# Altium PCB Motherboard PCB.PcbDoc (part 2 of 3)
Units mm, origin at the board's own origin, x right, y up, seen from the top; angles counter-clockwise.
Board outline 224.71 x 151.45 mm, 4 copper layers (Top Layer 1, Top Layer, Bottom Layer, Bottom Layer 1), stack 0.812 mm thick; 63 components, 127 nets, 504 pads, 652 vias.
Unrouted connection lines stored in the file: 1.
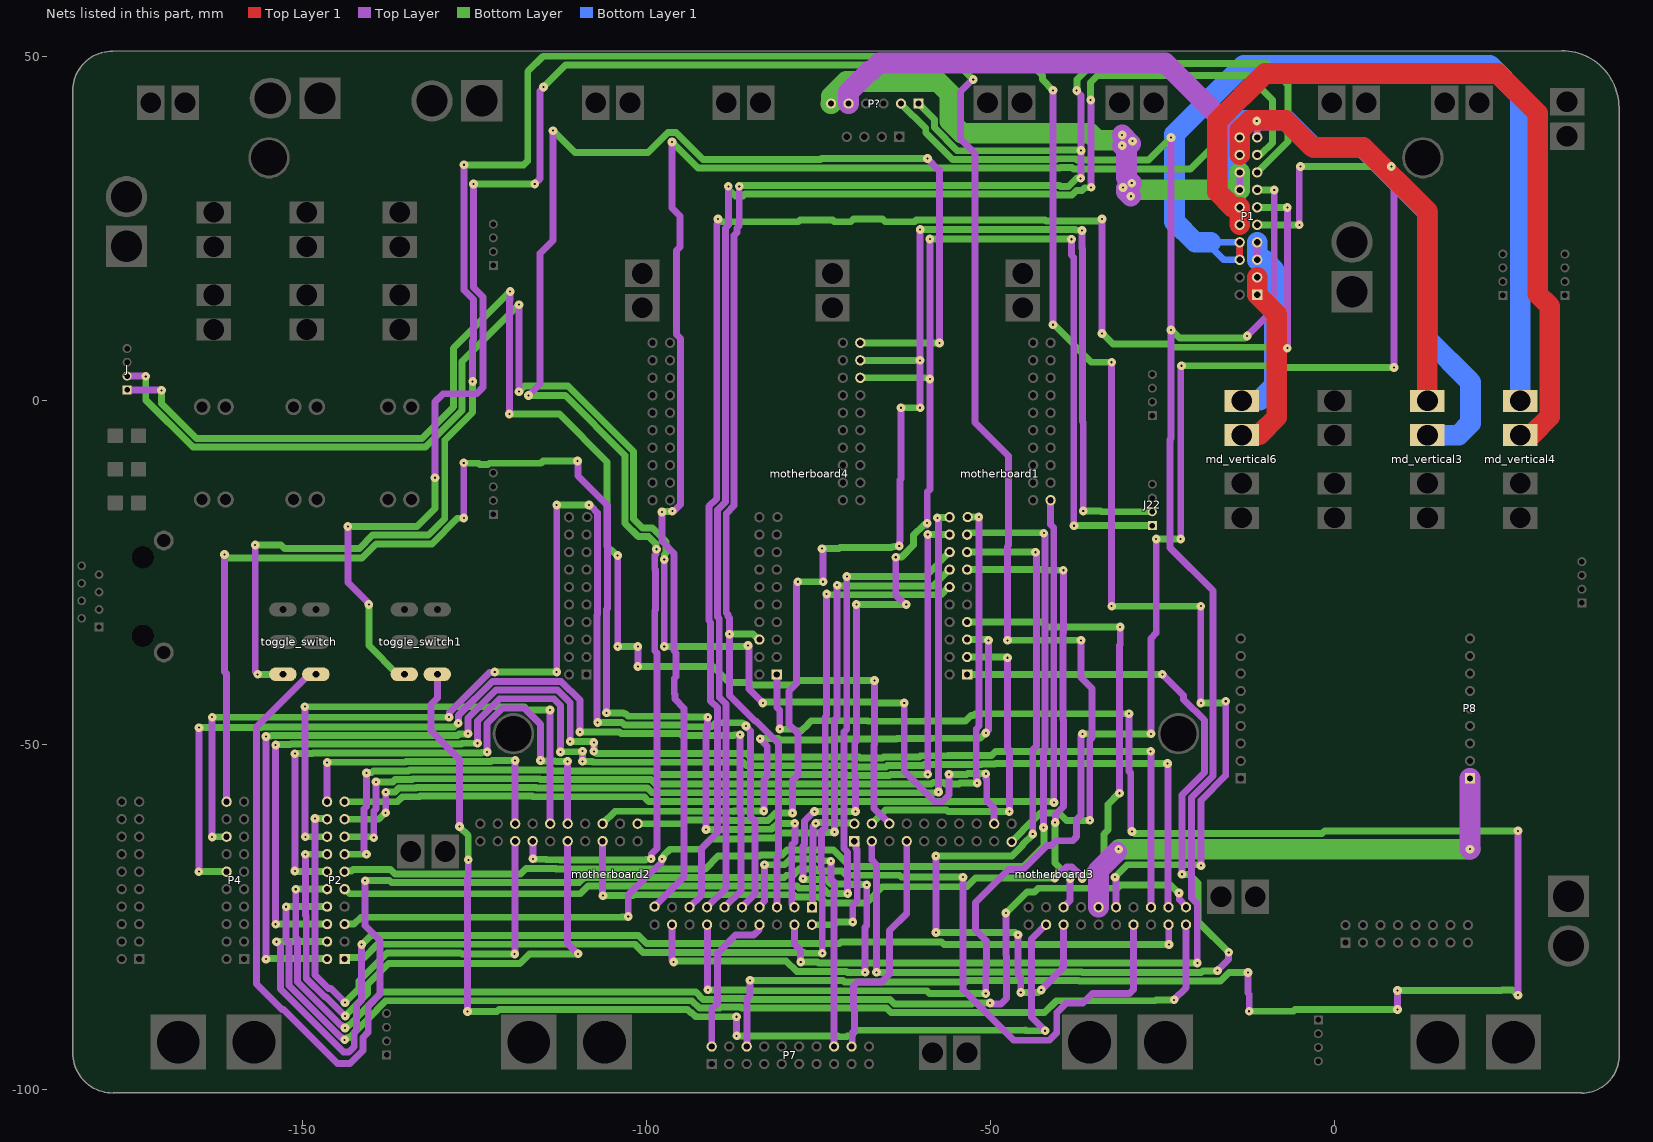
[diagram p4: the nets of this part, all layers, seen from the top]

## Via types
v1: diameter 1.27, hole 0.3, Top Layer to Bottom Layer, 501 vias
v2: diameter 1.27, hole 0.711, Top Layer 1 to Bottom Layer 1, 149 vias
v3: diameter 1.27, hole 0.3, Top Layer 1 to Bottom Layer 1, 2 vias

## Nets (pads, with @x,y where several pads share a name; then routed paths per layer and width w, separated by ;. In a path a pad name is that pad's centre, name@x,y a point inside that pad or via, vN(x,y) a via of type N, cw(c..) or ccw(c..) an arc to the next point about the centre after c; other vN are vias at no path point) (continued)
NetJ22_1: J22.1 motherboard2.18 motherboard4.35 | length 250.8
  Top Layer w1: motherboard2.18@-96.248,-76.122 -96.248,-81.225 -96.012,-81.461 v1(-96.012,-81.534) ; v1(-77.216,-69.435) -77.216,-64.662 -77.021,-64.467 -77.021,-61.078 -75.633,-59.69 v1(-75.565,-59.69) ; v1(-69.596,-59.69) -69.596,-54.599 -69.715,-54.48 -69.715,-49.663 -69.477,-49.425 v1(-69.477,-29.591) ; v1(-68.199,-83.047) -68.199,-76.491 -67.961,-76.253 v1(-67.961,-70.334) ; v1(-63.754,-22.733) -63.754,-28.194 v1@-62.484,-29.464 ; v1@-59.182,-18.024 v1(-59.182,-17.78) -59.182,-13.252 -58.801,-12.871 v1(-58.801,3.175) v1(-58.801,23.495) ; v1(-38.227,23.472) -38.227,21.166 -37.898,20.837 -37.898,-18.109 v1(-37.846,-18.161)
  Bottom Layer w1: v1(-96.012,-81.534) -95.939,-81.534 -95.793,-81.388 -79.665,-81.388 -78.13,-82.923 -70.916,-82.923 -70.792,-83.047 v1(-68.199,-83.047) ; v1(-77.216,-69.435) -77.143,-69.435 -77.008,-69.57 -73.827,-69.57 -73.198,-70.199 -70.164,-70.199 -70.08,-70.282 -68.013,-70.282 v1(-67.961,-70.334) ; v1(-75.565,-59.69) v1(-69.596,-59.69) ; v1(-69.477,-29.591) v1(-62.23,-29.591) ; motherboard4.35@-68.915,3.34 -59.039,3.34 -58.874,3.175 v1(-58.801,3.175) ; v1(-63.754,-22.733) -63.702,-22.681 -62.88,-22.681 -61.176,-20.977 -61.176,-19.518 -59.681,-18.024 -59.499,-18.024 -59.255,-17.78 v1(-59.182,-17.78) ; v1(-58.801,23.495) -58.789,23.483 -38.238,23.483 v1(-38.227,23.472) ; v1(-37.846,-18.161) -37.829,-18.144 -26.484,-18.144 J22.1@-26.467,-18.127
NetJ22_2: J22.2 motherboard2.21 motherboard4.37 | length 210.2
  Top Layer w1: v1(-78.74,-59.909) -78.74,-55.168 -77.978,-54.406 -77.978,-48.306 -79.283,-47 -79.283,-42.199 -78.191,-41.107 -78.191,-28.987 -78.191,-26.693 -78.03,-26.532 -78.03,-26.341 v1(-77.978,-26.289) ; v1(-74.462,-21.482) -74.462,-21.555 -74.295,-21.722 v1(-74.295,-26.289) ; v1(-63.245,-21.082) -63.194,-21.03 -63.194,-20.471 -63.11,-20.387 -63.11,-11.478 -62.992,-11.36 v1(-62.992,-1.016) ; v1(-60.198,-1.016) -60.217,-0.997 -60.217,5.861 v1(-60.236,5.88) -60.217,5.899 -60.217,24.866 v1(-60.198,24.885) ; v1(-36.703,24.726) -36.703,22.15 -36.644,22.091 -36.644,-2.988 -36.509,-3.123 v1(-36.509,-16.002)
  Bottom Layer w1: motherboard2.21@-101.258,-61.45 -94.788,-61.45 -94.235,-60.897 -87.9,-60.897 -87.798,-60.999 -82.336,-60.999 -81.246,-59.909 v1(-78.74,-59.909) ; v1(-77.978,-26.289) v1(-74.295,-26.289) ; v1(-74.462,-21.482) -71.995,-21.482 -71.827,-21.315 -64.363,-21.315 -64.249,-21.201 -63.924,-21.201 -63.856,-21.134 -63.297,-21.134 v1(-63.245,-21.082) ; motherboard4.37@-68.901,5.876 v1@-60.24,5.876 ; v1(-62.992,-1.016) v1(-60.198,-1.016) ; v1(-60.198,24.885) -60.191,24.892 -42.446,24.892 -42.415,24.861 -37.652,24.861 -37.568,24.778 -36.755,24.778 v1(-36.703,24.726) ; v1(-36.509,-16.002) -33.998,-16.002 -33.874,-16.127 J22.2@-26.467,-16.127
NetJ_1: J.1 motherboard3.6 | length 199.1
  Top Layer w1: J.1@-175.438,1.59 -175.405,1.557 -170.467,1.557 v1(-170.434,1.524) ; v1(-119.888,-1.929) -119.896,-1.921 -119.896,14.529 -119.821,14.605 -119.821,15.815 v1(-119.769,15.867) ; v1(-104.148,-35.687) v1(-104.148,-22.487) ; v1(-101.219,-38.609) v1(-101.219,-35.687) ; v1(-66.834,-40.64) -66.834,-49.925 -66.921,-50.012 -66.921,-59.223 motherboard3.6@-64.694,-61.45
  Bottom Layer w1: v1(-170.434,1.524) -170.434,-0.381 -165.354,-5.461 -132.588,-5.461 -128,-0.873 -128,7.636 v1(-119.769,15.867) ; v1(-119.888,-1.929) -112.63,-1.929 -105.691,-8.868 -105.691,-21.13 -105.093,-21.728 -104.98,-21.728 -104.221,-22.487 v1(-104.148,-22.487) ; v1(-104.148,-35.687) v1@-101.473,-35.687 ; v1(-101.219,-38.609) v1(-101.219,-38.609) -90.313,-38.608 -88.011,-40.91 -84.994,-40.91 -84.63,-41.274 -80.028,-41.274 -78.633,-41.274 -77.999,-40.64 v1(-66.834,-40.64)
NetJ_2: J.2 motherboard3.18 | length 217.6
  Top Layer w1: J.2@-175.438,3.59 -175.421,3.573 -172.737,3.573 v1(-172.72,3.556) ; v1(-118.507,1.324) -118.499,1.332 -118.499,13.962 v1(-118.491,13.97) ; v1@-97.385,-35.614 v1(-97.385,-23.065) ; v1(-85.217,-35.56) -85.217,-35.633 -85.073,-35.777 -85.073,-41.902 v1(-83.058,-43.917) ; v1(-62.514,-43.917) -62.514,-53.874 -58.132,-58.255 -56.982,-58.255 -56.007,-57.28 v1(-56.007,-54.276) ; v1(-50.665,-54.189) -50.613,-54.241 -50.613,-54.871 -50.53,-54.955 -50.53,-58.093 -49.454,-59.169 motherboard3.18@-49.454,-61.45
  Bottom Layer w1: v1(-172.72,3.556) -172.72,0.132 -165.873,-6.715 -132.069,-6.715 -126.746,-1.392 -126.746,5.715 v1(-118.491,13.97) ; v1(-118.507,1.324) -118.488,1.324 -117.669,2.143 -111.381,2.143 -101.842,-7.396 -101.842,-17.157 -100.522,-18.477 -99.126,-18.477 -97.129,-20.474 -97.129,-22.143 -97.333,-22.347 -97.333,-23.013 v1(-97.385,-23.065) ; v1(-97.385,-35.687) -85.417,-35.687 -85.29,-35.56 v1(-85.217,-35.56) ; v1(-83.058,-43.917) -83.006,-43.865 -82.815,-43.865 -82.732,-43.782 -66.997,-43.782 -66.862,-43.917 v1(-62.514,-43.917) ; v1(-56.007,-54.276) -53.429,-54.276 -53.294,-54.141 -50.713,-54.141 v1(-50.665,-54.189)
Netmd_vertical3_3: md_vertical3.3 P1.14 P1.16 P?.6 | length 168.2
  Top Layer w1: P1.14@-13.779,30.645 P1.16@-13.779,33.185
  Top Layer w3: v1(-30.861,37.084) -30.226,36.449 -30.226,32.385 v1(-29.464,31.623) -30.226,30.861 -30.226,30.353 v1(-29.591,29.718) ; v1(-30.861,38.608) v1@-29.591,37.338
  Bottom Layer w3: P?.6@-73.152,43.18 -73.116,43.216 -73.116,44.217 -70.952,46.381 -57.637,46.381 -55.88,44.624 -55.88,40.619 -54.123,38.862 -35.483,38.862 -34.467,37.846 -30.861,37.846 ; -29.972,30.861 -29.756,30.645 P1.14@-13.779,30.645 P1.16@-13.779,33.185
  Bottom Layer 1 w3: P1.14@-13.779,30.645 P1.16@-13.779,33.185 -13.815,33.221 -14.816,33.221 -16.283,34.688 -16.283,39.302 -14.816,40.769 -6.982,40.769 -3.057,36.844 4.055,36.844 13.462,27.437 13.462,9.017 19.765,2.714 19.765,-3.243 18.008,-5 md_vertical3.3@13.5,-5
  other v1: -30.734,30.988 -29.337,37.719
Netmd_vertical3_4: md_vertical3.4 P1.18 P1.20 P?.5 | length 131.6
  Top Layer 1 w3: P1.18@-13.779,35.725 P1.20@-13.779,38.265 -13.779,39.266 -12.276,40.769 -7.109,40.769 -3.184,36.844 4.182,36.844 13.453,27.573 md_vertical3.4@13.453,0.1
  Top Layer w3: P?.5@-70.612,43.18 -70.612,44.829 -67.503,47.938 -67.251,47.938 -66.107,49.082 -24.596,49.082 P1.20@-13.779,38.265 P1.18@-13.779,35.725
Netmd_vertical4_3: md_vertical4.3 P1.10 P1.12 | length 121.5
  Top Layer 1 w3: P1.10@-13.779,25.565 P1.12@-13.779,28.105 -13.815,28.141 -14.816,28.141 -17.033,30.358 -17.033,40.614 -10.086,47.561 23.729,47.561 29.528,41.762 29.528,15.482 31.254,13.756 31.254,-2.327 28.681,-4.9 27.1,-4.9 md_vertical4.3@27,-5
  Top Layer w1: P1.10@-13.779,25.565 P1.12@-13.779,28.105
Netmd_vertical4_4: md_vertical4.4 P1.6 P1.8 | length 134.9
  Top Layer 1 w1: P1.6@-13.779,20.485 P1.8@-13.779,23.025
  Top Layer w1: P1.6@-13.779,20.485 P1.8@-13.779,23.025
  Bottom Layer 1 w1: -18.58,23.025 -18.288,22.733 -16.04,20.485 P1.6@-13.779,20.485 ; -17.996,23.025 P1.8@-13.779,23.025
  Bottom Layer 1 w3: -17.996,23.025 -20.231,23.025 -23.241,26.035 -23.241,38.719 -13.192,48.768 22.522,48.768 27,44.29 md_vertical4.4@27,0
Netmd_vertical6_3: md_vertical6.3 P1.1 P1.3 | length 31.3
  Top Layer 1 w3: md_vertical6.3@-13.5,-5 -13.4,-4.9 -10.91,-4.9 -8.391,-2.381 -8.391,12.557 P1.1@-11.239,15.405 P1.3@-11.239,17.945
  Top Layer w1: P1.1@-11.239,15.405 P1.3@-11.239,17.945
  Bottom Layer w3: md_vertical6.3@-13.5,-5 -12.58,-5 md_vertical6.3@-12.5,-5.08
Netmd_vertical6_4: md_vertical6.4 P1.5 P1.7 | length 31.6
  Top Layer 1 w3: md_vertical6.4@-13.5,0 md_vertical6.4@-12.6,0
  Top Layer w1: P1.5@-11.239,20.485 P1.7@-11.239,23.025
  Bottom Layer 1 w3: md_vertical6.4@-13.5,0 -13.4,0.1 -10.845,0.1 -8.735,2.21 -8.735,18.982 -10.202,20.449 -11.203,20.449 P1.5@-11.239,20.485 P1.7@-11.239,23.025
Netmotherboard1_1: motherboard1.1 motherboard3.3 | length 148.5
  Top Layer w1: motherboard3.3@-67.234,-63.99 -67.234,-66.742 -66.548,-67.428 v1(-66.548,-83.047) ; v1(-25.019,-39.751) -21.935,-42.835 -21.935,-43.377 -18.903,-46.409 -18.903,-54.006 -22.171,-57.274 v1(-22.171,-68.794) ; v1(-17.018,-82.804) -15.419,-81.205 -15.419,-80.189 v1(-15.367,-80.137)
  Bottom Layer w1: v1(-66.548,-83.047) -54.034,-83.047 -53.959,-82.972 -36.704,-82.972 -36.618,-83.058 -19.364,-83.058 -19.153,-82.847 -17.061,-82.847 v1(-17.018,-82.804) ; motherboard1.1@-53.382,-39.77 -53.372,-39.76 -25.028,-39.76 v1(-25.019,-39.751) ; v1(-22.171,-68.794) -22.119,-68.846 -21.055,-68.846 -19.812,-70.089 -19.812,-75.692 v1(-15.367,-80.137)
Netmotherboard1_3: motherboard1.3 motherboard3.4 | length 49.3
  Top Layer w1: v1(-47.498,-37.338) -47.498,-50.507 -47.244,-50.761 v1(-47.244,-59.69)
  Bottom Layer w1: motherboard3.4@-67.234,-61.45 -65.259,-59.475 -56.396,-59.475 -56.181,-59.69 v1(-47.244,-59.69) ; motherboard1.3@-53.382,-37.23 -47.679,-37.23 -47.571,-37.338 v1(-47.498,-37.338)
Netmotherboard1_5: motherboard1.5 motherboard2.25 | length 85.4
  Top Layer w1: motherboard2.25@-106.338,-61.45 motherboard2.25@-106.318,-61.43 ; v1(-83.447,-49.093) -83.447,-49.166 -82.423,-50.19 -82.423,-54.619 -82.912,-55.108 v1(-82.912,-59.61) ; v1(-50.665,-48.26) -50.665,-48.187 -50.292,-47.814 v1(-50.292,-34.798)
  Bottom Layer w1: motherboard2.25@-106.338,-61.45 -104.531,-59.643 -87.38,-59.643 -87.334,-59.69 -87.254,-59.61 v1(-82.912,-59.61) ; v1(-83.447,-49.093) -80.762,-49.093 -80.594,-49.26 -73.083,-49.26 -72.972,-49.149 -63.628,-49.149 -63.547,-49.068 -58.572,-49.068 -58.542,-49.038 -51.516,-49.038 -50.738,-48.26 v1(-50.665,-48.26) ; motherboard1.5@-53.382,-34.69 -53.161,-34.69 -53.151,-34.68 -50.483,-34.68 -50.365,-34.798 v1(-50.292,-34.798)
Netmotherboard1_7: motherboard1.7 motherboard2.26 | length 142.6
  Top Layer w1: motherboard2.26@-106.338,-63.99 -106.338,-71.86 v1(-106.299,-71.899) ; v1(-40.64,-69.342) -40.567,-69.342 -38.956,-67.731 -38.128,-67.731 -36.999,-68.86 -36.999,-69.011 -36.673,-69.337 v1(-36.673,-69.41) ; v1(-31.242,-57.023) -31.242,-35.52 -31.139,-35.417 v1(-31.139,-32.885)
  Bottom Layer w1: v1(-106.299,-71.899) -101.929,-71.899 -101.794,-71.764 -78.625,-71.764 -78.311,-72.078 -74.866,-72.078 -73.967,-72.977 -68.024,-72.977 -65.651,-70.604 -53.4,-70.604 -52.138,-69.342 v1(-40.64,-69.342) ; motherboard1.7@-53.382,-32.15 -42.518,-32.15 -41.783,-32.885 v1(-31.139,-32.885) ; v1(-36.673,-69.41) -34.922,-67.658 -34.698,-67.658 -33.496,-66.457 -33.496,-62.973 -32.902,-62.379 -32.902,-58.623 -31.301,-57.023 v1(-31.242,-57.023)
Netmotherboard1_12: motherboard1.12 P2.1 | length 141.8
  Top Layer w1: v1(-74.422,-80.269) -74.422,-68.356 -74.571,-68.206 -74.571,-65.565 -74.513,-65.506 -74.513,-62.533 -73.986,-62.006 -73.986,-45.902 -73.787,-45.703 v1(-73.787,-28.067)
  Bottom Layer w1: P2.1@-143.827,-81.115 -143.577,-80.865 -140.936,-80.865 -139.033,-78.962 -101.622,-78.962 -100.45,-80.134 -77.1,-80.134 -76.965,-80.269 v1(-74.422,-80.269) ; v1(-73.787,-28.067) -73.714,-28.067 -73.595,-28.186 -57.173,-28.186 -56.057,-27.07 motherboard1.12@-55.922,-27.07
Netmotherboard1_13: motherboard1.13 motherboard3.26 | length 65
  Top Layer w1: v1(-40.588,-61.286) -40.537,-61.234 -40.537,-60.095 -39.386,-58.944 -39.386,-46.367 -39.473,-46.28 -39.473,-33.703 -39.402,-33.632 v1(-39.402,-24.62) ; motherboard3.26@-39.497,-73.66 -38.44,-72.603 -38.44,-69.487 v1(-38.388,-69.435)
  Bottom Layer w1: motherboard1.13@-53.382,-24.53 -53.17,-24.53 -53.151,-24.511 -42.148,-24.511 -42.039,-24.62 v1(-39.402,-24.62) ; v1(-40.588,-61.286) -40.64,-61.338 -40.64,-67.183 v1(-38.388,-69.435)
Netmotherboard1_14: motherboard1.14 P2.5 | length 132.3
  Top Layer w1: v1(-102.616,-74.93) -102.616,-71.823 -100.191,-69.397 -100.162,-69.397 -97.745,-66.98 -97.745,-66.608 v1(-97.693,-66.556) ; v1(-72.667,-62.651) -72.667,-46.356 -72.263,-45.953 v1(-72.263,-26.797)
  Bottom Layer w1: P2.5@-143.827,-76.035 -143.823,-76.039 -142.471,-76.039 -141.473,-75.041 -103.627,-75.041 -103.567,-74.982 -102.668,-74.982 v1(-102.616,-74.93) ; v1(-97.693,-66.556) -97.693,-66.483 -97.401,-66.191 -97.401,-65.981 -96.587,-65.167 -92.125,-65.167 -90.617,-63.659 -84.57,-63.659 -84.418,-63.507 -81.298,-63.507 -80.576,-62.786 -74.8,-62.786 -74.717,-62.703 -72.719,-62.703 v1(-72.667,-62.651) ; v1(-72.263,-26.797) -72.211,-26.849 -71.89,-26.849 -71.822,-26.916 -58.308,-26.916 motherboard1.14@-55.922,-24.53
Netmotherboard1_15: motherboard1.15 motherboard3.25 | length 112.4
  Top Layer w1: v1(-57.928,-66.143) -57.92,-66.151 -57.92,-77.232 v1(-57.912,-77.24) ; v1(-45.974,-77.597) -45.974,-83.344 -45.593,-83.725 v1(-45.593,-85.979) ; v1(-43.843,-62.96) -43.843,-50.651 -43.323,-50.131 -43.323,-22.214 -43.458,-22.079 v1(-43.458,-22.006) ; v1(-42.612,-85.615) -39.364,-82.367 motherboard3.25@-39.364,-76.122
  Bottom Layer w1: v1(-57.912,-77.24) -46.404,-77.24 -46.047,-77.597 v1(-45.974,-77.597) ; v1@-57.912,-66.167 -46.86,-66.167 -45.309,-64.616 -45.309,-64.498 -43.843,-63.033 v1(-43.843,-62.96) ; motherboard1.15@-53.382,-21.99 -53.374,-21.998 -43.466,-21.998 v1(-43.458,-22.006) ; v1(-45.593,-85.979) -43.049,-85.979 -42.686,-85.615 v1(-42.612,-85.615)
Netmotherboard1_16: motherboard1.16 P2.9 | length 137.1
  Top Layer w1: v1(-70.866,-25.527) -70.866,-47.678 -71.278,-48.09 -71.278,-65.052 -70.739,-65.591 v1(-70.739,-71.588)
  Bottom Layer w1: P2.9@-143.827,-70.955 -143.692,-70.955 -143.019,-71.628 -109.601,-71.628 -108.483,-70.51 -78.105,-70.51 -77.791,-70.824 -74.346,-70.824 -73.582,-71.588 v1(-70.739,-71.588) ; v1(-70.866,-25.527) -59.459,-25.527 motherboard1.16@-55.922,-21.99
Netmotherboard1_17: motherboard1.17 P2.11 | length 162.6
  Top Layer w1: v1(-42.277,-61.994) -42.277,-50.859 -42.069,-50.65 -42.069,-19.469 -42.236,-19.302 v1(-42.236,-19.229)
  Bottom Layer w1: P2.11@-143.827,-68.415 -143.731,-68.319 -142.829,-68.319 -142.598,-68.088 -137.166,-68.088 -136.51,-68.744 -118.286,-68.744 -117.487,-67.945 -113.137,-67.945 -113.08,-68.002 -91.413,-68.002 -89.578,-66.167 -83.531,-66.167 -83.379,-66.015 -80.259,-66.015 -79.537,-65.294 -72.81,-65.294 -70.413,-67.691 -45.222,-67.691 -42.239,-64.708 -42.239,-62.032 v1(-42.277,-61.994) ; motherboard1.17@-53.382,-19.45 -53.247,-19.45 -52.974,-19.177 -42.288,-19.177 v1(-42.236,-19.229)
Netmotherboard1_18: motherboard1.18 P2.13 | length 135.5
  Top Layer w1: v1(-140.64,-65.895) -140.64,-65.822 -140.984,-65.478 -140.984,-59.279 -140.644,-58.939 -140.644,-54.088 v1(-140.64,-54.084) ; v1(-59.106,-54.276) v1(-59.106,-19.413)
  Bottom Layer w1: P2.13@-143.827,-65.875 -143.817,-65.885 -140.65,-65.885 v1(-140.64,-65.895) ; v1(-140.64,-54.084) -140.588,-54.032 -139.886,-54.032 -139.622,-53.769 -134.523,-53.769 -134.412,-53.658 -113.678,-53.658 -113.567,-53.769 -98.786,-53.769 -98.279,-54.276 -71.006,-54.276 -70.847,-54.435 -64.639,-54.435 -64.48,-54.276 v1(-59.106,-54.276) ; v1(-59.106,-19.413) -59.087,-19.431 -55.94,-19.431 motherboard1.18@-55.922,-19.45
Netmotherboard1_19: motherboard1.19 P2.15 | length 141.2
  Top Layer w1: v1(-139.595,-63.482) -139.595,-59.664 -139.255,-59.324 v1(-139.255,-55.366) ; v1(-51.919,-55.53) -51.971,-55.478 -51.971,-54.848 -52.054,-54.764 -52.054,-47.685 -51.631,-47.261 -51.631,-35.424 -51.681,-35.373 v1(-51.681,-16.873)
  Bottom Layer w1: P2.15@-143.827,-63.335 -139.815,-63.335 -139.668,-63.482 v1(-139.595,-63.482) ; v1(-139.255,-55.366) -136.823,-55.366 -136.48,-55.023 -134.003,-55.023 -133.892,-54.912 -115.52,-54.912 -115.409,-55.023 -99.305,-55.023 -98.663,-55.665 -78.621,-55.665 -78.597,-55.689 -58.555,-55.689 -58.309,-55.443 -56.804,-55.443 -56.582,-55.665 -54.554,-55.665 -54.419,-55.53 v1(-51.919,-55.53) ; motherboard1.19@-53.29,-16.898 -53.277,-16.885 -51.693,-16.885 v1(-51.681,-16.873)
Netmotherboard1_20: motherboard1.20 P2.17 | length 132
  Top Layer w1: v1(-137.856,-59.865) -137.851,-59.86 -137.851,-56.871 v1(-137.846,-56.866) ; v1(-57.709,-17.01) -57.709,-17.083 -57.557,-17.235 v1(-57.557,-56.832)
  Bottom Layer w1: P2.17@-143.827,-60.795 -138.859,-60.795 -137.929,-59.865 v1(-137.856,-59.865) ; v1(-137.846,-56.866) -137.794,-56.814 -136.498,-56.814 -135.961,-56.277 -133.484,-56.277 -133.373,-56.166 -116.039,-56.166 -115.928,-56.277 -99.825,-56.277 -99.159,-56.943 -58.035,-56.943 -57.976,-56.884 -57.609,-56.884 v1(-57.557,-56.832) ; v1(-57.709,-17.01) -57.659,-16.96 -55.972,-16.96 motherboard1.20@-55.922,-16.91
Netmotherboard1_21: motherboard1.21 P2.19 | length 147.9
  Top Layer w1: motherboard1.21@-41.25,-14.44 -41.25,-17.991 -40.791,-18.45 -40.791,-58.353 v1(-40.775,-58.369)
  Bottom Layer w1: P2.19@-143.827,-58.255 -136.165,-58.255 -135.441,-57.531 -132.964,-57.531 -132.853,-57.42 -116.558,-57.42 -116.447,-57.531 -100.344,-57.531 -99.654,-58.221 -40.995,-58.221 -40.848,-58.369 v1(-40.775,-58.369)
Netmotherboard2_1: motherboard2.1 motherboard3.2 | length 18.2
  Top Layer w1: motherboard2.1@-75.928,-73.582 -75.827,-73.481 -75.827,-65.047 -75.767,-64.987 -75.767,-61.862 -75.375,-61.47 v1(-75.375,-61.397) ; motherboard3.2@-69.812,-61.412 motherboard3.2@-69.774,-61.45
  Bottom Layer w1: v1(-75.375,-61.397) -75.302,-61.397 -75.167,-61.262 -72.092,-61.262 -71.999,-61.354 -69.87,-61.354 motherboard3.2@-69.774,-61.45
Netmotherboard2_2: motherboard2.2 motherboard3.1 | length 18.3
  Top Layer w1: v1(-70.004,-75.732) -70.004,-73.352 -69.35,-72.699 -69.35,-70.164 -69.368,-70.146 -69.368,-65.189 -69.524,-65.033 -69.524,-64.24 motherboard3.1@-69.774,-63.99
  Bottom Layer w1: motherboard2.2@-75.928,-76.122 -72.639,-76.122 -72.249,-75.732 v1(-70.004,-75.732)
Netmotherboard2_3: motherboard2.3 P4.20 | length 193.9
  Top Layer w1: v1(-161.261,-22.338) -161.261,-39.37 -161.004,-39.627 -161.004,-58.223 P4.20@-160.972,-58.255 ; v1(-126.516,-9.017) -126.514,-9.019 -126.514,-17.012 v1(-126.512,-17.014) ; v1(-109.982,-8.763) -109.941,-8.804 -109.941,-10.898 -105.648,-15.191 -105.648,-30.16 -105.783,-30.295 v1(-105.783,-45.337) ; v1(-91.305,-62.286) -91.305,-47.948 -91.111,-47.753 -91.111,-46.018 v1(-91.059,-45.966) ; motherboard2.3@-78.468,-73.582 -78.468,-73.447 -78.867,-73.048 -78.867,-64.54 -78.41,-64.083 v1(-78.41,-61.397)
  Bottom Layer w1: v1(-161.261,-22.338) -161.188,-22.338 -160.68,-22.846 -141.299,-22.846 -139.235,-20.782 -131.154,-20.782 -127.438,-17.066 -126.564,-17.066 v1(-126.512,-17.014) ; v1(-126.516,-9.017) -126.464,-9.069 -124.391,-9.069 -124.197,-9.263 -122.987,-9.263 -122.808,-9.084 -115.328,-9.084 -115.007,-8.763 v1(-109.982,-8.763) ; v1(-105.783,-45.337) -103.323,-45.337 -103.188,-45.472 -102.998,-45.472 -102.638,-45.831 -94.063,-45.831 -93.928,-45.966 v1(-91.059,-45.966) ; v1(-91.305,-62.286) -84.971,-62.286 -84.938,-62.253 -81.817,-62.253 -80.961,-61.397 v1(-78.41,-61.397)
Netmotherboard2_4: motherboard2.4 P1.13 P?.2 | length 269.1
  Top Layer w1: motherboard2.4@-78.468,-76.122 -78.468,-76.344 -78.477,-76.353 -78.477,-78.899 -77.606,-79.77 -77.606,-81.482 v1(-77.555,-81.534) ; v1(-23.757,38.235) v1(-23.757,10.287) -23.757,-5.502 -23.892,-5.637 -23.892,-21.353 -17.649,-27.596 -17.649,-54.526 -20.782,-57.659 -20.782,-72.257 -19.939,-73.1 v1(-19.939,-81.669) ; v1(-12.7,9.398) -8.763,13.335 v1(-8.763,30.607)
  Bottom Layer w1: v1(-77.555,-81.534) -75.121,-81.534 -74.997,-81.658 -57.637,-81.658 -57.626,-81.669 v1(-19.939,-81.669) ; P?.2@-62.992,43.18 -62.992,43.154 -59.388,39.55 -59.388,38.941 -55.515,35.068 -40.433,35.068 -40.338,35.163 -37.611,35.163 -37.405,34.957 -27.035,34.957 v1(-23.757,38.235) ; v1(-23.757,10.287) -23.684,10.287 -22.541,9.144 -13.027,9.144 -12.773,9.398 v1(-12.7,9.398) ; P1.13@-11.239,30.645 -11.22,30.626 -8.782,30.626 v1(-8.763,30.607)
Netmotherboard2_5: motherboard2.5 motherboard4.6 P1.15 P?.1 | length 253.2
  Top Layer w1: v1@-88.016,-33.841 -87.908,-33.949 -87.908,-42.805 -84.147,-46.566 -84.01,-46.566 -80.78,-49.795 -80.78,-66.167 -81.008,-66.395 motherboard2.5@-81.008,-73.582 ; v1(-87.908,-33.909) -87.908,-31.571 -88.138,-31.341 -88.138,-31.077 -88.376,-30.839 -88.376,-16.36 -87.246,-15.23 -87.246,24.044 -86.819,24.471 -86.819,25.127 -86.487,25.459 v1(-86.487,31.155) ; v1(-37.465,45.085) -37.465,45.012 -36.83,44.377 v1(-36.83,36.346) ; v1(-36.881,32.314) -36.855,32.339 -36.855,36.321 v1@-36.881,36.346
  Bottom Layer w1: v1(-87.908,-33.909) -84.485,-33.909 -83.704,-34.69 motherboard4.6@-83.569,-34.69 ; v1(-86.487,31.155) -86.435,31.207 -86.244,31.207 -86.161,31.29 -39.977,31.29 -39.818,31.131 -38.668,31.131 -37.441,32.357 -36.924,32.357 v1(-36.881,32.314) ; P?.1@-60.452,43.18 -58.134,40.862 -58.134,39.686 -54.77,36.322 -40.952,36.322 -40.857,36.417 -37.092,36.417 -37.073,36.398 -36.882,36.398 v1(-36.83,36.346) ; v1(-37.465,45.085) -37.413,45.137 -37.413,46.661 -35.06,49.014 -9.903,49.014 -6.747,45.858 -6.747,37.677 P1.15@-11.239,33.185
Netmotherboard2_7: motherboard2.7 P7.16 | length 43.8
  Top Layer w1: motherboard2.7@-83.548,-73.582 -83.548,-73.447 -82.804,-72.703 v1(-82.804,-67.404) ; v1(-73.182,-66.886) -73.168,-66.9 -73.168,-69.435 -73.082,-69.521 -73.082,-69.556 -72.636,-70.002 -72.636,-71.028 -72.704,-71.096 -72.704,-93.584 -72.707,-93.587 P7.16@-72.707,-93.815
  Bottom Layer w1: v1(-82.804,-67.404) -79.874,-67.404 -79.018,-66.548 -75.062,-66.548 -74.775,-66.834 -73.234,-66.834 v1(-73.182,-66.886)
Netmotherboard2_8: motherboard2.8 P7.2 | length 22.1
  Top Layer w1: P7.2@-90.487,-93.815 -90.487,-88.37 -89.67,-87.553 -89.67,-80.272 -87.024,-77.626 -84.384,-77.626 -83.644,-76.886 -83.644,-76.218 motherboard2.8@-83.548,-76.122
Netmotherboard2_9: motherboard2.9 P4.16 | length 183.2
  Top Layer w1: v1(-163.068,-63.373) v1@-163.068,-46.228 ; v1(-128.651,-45.974) -128.599,-45.922 -128.599,-45.262 -122.789,-39.452 -122.069,-39.452 v1(-122.017,-39.4) ; v1(-113.011,-39.4) v1(-113.011,-15.132) ; v1(-108.334,-15.144) -108.261,-15.144 -108.011,-15.394 -107.961,-15.394 -107.08,-16.275 -107.08,-31.048 -107.172,-31.14 -107.172,-46.542 -107.061,-46.653 v1(-107.061,-46.726) ; motherboard2.9@-86.088,-73.582 -84.193,-71.687 -84.193,-61.035 -84.836,-60.392 -84.836,-47.99 -85.492,-47.334 v1(-85.492,-47.261)
  Bottom Layer w1: v1(-163.068,-45.974) v1(-128.651,-45.974) ; v1@-162.776,-63.335 P4.16@-160.972,-63.335 ; v1(-122.017,-39.4) v1(-113.011,-39.4) ; v1(-113.011,-15.132) -113.005,-15.138 -108.34,-15.138 v1(-108.334,-15.144) ; v1(-107.061,-46.726) -103.517,-46.726 -103.158,-47.085 -94.583,-47.085 -94.313,-47.355 -90.48,-47.355 -89.902,-46.778 -86.049,-46.778 -85.565,-47.261 v1(-85.492,-47.261)
Netmotherboard2_11: motherboard2.11 P4.12 | length 139
  Top Layer w1: v1(-165.004,-68.415) -165.009,-68.41 -165.009,-47.525 v1(-164.981,-47.497) ; v1(-127.305,-46.845) -127.253,-46.793 -127.253,-45.689 -122.353,-40.789 -112.356,-40.789 -109.652,-43.493 v1(-109.652,-48.117) ; motherboard2.11@-88.628,-73.582 -86.249,-71.203 -86.249,-59.995 -86.36,-59.884 v1(-86.36,-48.514)
  Bottom Layer w1: v1@-165.024,-68.435 v1(-165.004,-68.415) P4.12@-160.972,-68.415 ; v1(-164.981,-47.497) -155.947,-47.497 -155.82,-47.371 -127.904,-47.371 -127.43,-46.897 v1@-127.393,-46.933 ; v1(-109.652,-48.117) -103.899,-48.117 -103.677,-48.339 -95.102,-48.339 -94.832,-48.609 -87.253,-48.609 -87.21,-48.566 -86.412,-48.566 v1(-86.36,-48.514)
Netmotherboard2_13: motherboard2.13 P1.17 | length 213.9
  Top Layer w1: motherboard2.13@-91.168,-73.582 -88.416,-70.83 -88.416,-44.07 -89.392,-43.094 -89.392,-31.67 -89.63,-31.432 -89.63,-15.841 -88.5,-14.711 -88.5,25.112 -88.073,25.539 v1(-88.073,31.155) ; v1(-35.433,43.688) -35.395,43.65 -35.395,31.044 v1(-35.357,31.006)
  Bottom Layer w1: v1(-88.073,31.155) -88.021,31.103 -88.021,30.725 -87.062,29.766 -85.912,29.766 -85.642,30.036 -40.497,30.036 -40.338,29.877 -38.148,29.877 -37.467,30.558 -36.672,30.558 -36.276,30.954 -35.409,30.954 v1(-35.357,31.006) ; v1(-35.433,43.688) -35.433,46.228 -34.417,47.244 -12.573,47.244 -9.017,43.688 -9.017,37.465 -10.661,35.821 -11.143,35.821 P1.17@-11.239,35.725
Netmotherboard2_14: motherboard2.14 P1.9 | length 253.6
  Top Layer w1: motherboard2.14@-91.168,-76.122 -91.111,-76.179 -91.111,-85.538 v1(-91.059,-85.59) ; v1(-50.68,-86.113) -50.68,-83.537 -50.62,-83.478 -50.62,-82.377 -50.546,-82.303 -50.546,-78.512 -52.181,-76.877 -52.181,-72.887 -47.388,-68.094 -45.24,-68.094 -41.783,-64.637 -41.182,-64.637 -40.474,-63.929 -38.051,-63.929 -37.465,-63.343 -37.465,-60.833 -36.814,-60.182 -36.814,-48.65 -36.624,-48.46 v1(-36.624,-48.387) ; v1(-26.67,-48.387) -26.67,-34.517 -25.908,-33.755 v1(-25.908,-20.066) ; v1(-22.352,-20.066) -22.352,4.883 -22.22,5.015 v1(-22.22,5.088) ; v1(-5.118,25.565) -5.118,33.798 -4.953,33.963 v1(-4.953,34.036) ; v1(8.255,34.036) 8.255,33.963 8.636,33.582 v1(8.636,4.826)
  Bottom Layer w1: v1(-91.059,-85.59) -85.231,-85.59 -85.096,-85.725 -59.226,-85.725 -58.839,-86.113 v1(-50.68,-86.113) ; v1(-36.624,-48.387) v1(-26.67,-48.387) ; v1(-25.908,-20.066) v1(-22.352,-20.066) ; v1(-22.22,5.088) -8.036,5.088 -7.774,4.826 v1(8.636,4.826) ; P1.9@-11.239,25.565 v1(-5.118,25.565) ; v1(-4.953,34.036) v1(8.255,34.036)
Netmotherboard2_15: motherboard2.15 P1.11 | length 228.7
  Top Layer w1: motherboard2.15@-93.708,-73.582 -92.067,-71.941 -92.067,-71.433 -91.98,-71.346 -91.98,-65.056 -89.67,-62.746 -89.67,-44.59 -90.646,-43.614 -90.646,-32.189 -90.884,-31.951 -90.884,-15.321 -89.754,-14.191 -89.754,25.632 -89.638,25.748 -89.638,26.372 v1(-89.586,26.424) ; v1(-33.782,9.779) v1(-33.782,26.416) ; v1(-6.858,7.648) v1@-6.858,27.994
  Bottom Layer w1: v1(-89.586,26.424) -89.513,26.424 -89.093,26.004 -77.959,26.004 -77.689,26.274 -72.906,26.274 -72.636,26.004 -70.291,26.004 -69.887,26.408 -65.667,26.408 -65.263,26.004 -61.043,26.004 -60.773,26.274 -42.055,26.274 -41.896,26.115 -34.156,26.115 -33.855,26.416 v1(-33.782,26.416) ; v1(-33.782,9.779) -33.709,9.779 -32.185,8.255 -23.998,8.255 -23.526,7.783 -7.184,7.783 -7.101,7.7 -6.91,7.7 v1(-6.858,7.648) ; P1.11@-11.239,28.105 -11.22,28.086 -6.877,28.086 v1(-6.858,28.067)
Netmotherboard2_19: motherboard2.19 P1.19 | length 209.4
  Top Layer w1: motherboard2.19@-98.8,-73.49 -94.496,-69.186 -94.496,-44.677 -95.837,-43.336 -95.837,-42.649 -95.932,-42.554 -95.932,-40.365 -95.662,-40.095 -95.662,-36.636 -95.996,-36.302 -95.996,-22.164 -96.861,-21.3 -96.861,-21.249 -97.725,-20.385 v1(-97.725,-16.149) ; v1(-96.266,37.6) -96.266,28.031 -95.107,26.872 -95.107,22.346 -95.615,21.838 -95.615,9.618 -95.04,9.043 -95.04,-15.063 -95.971,-15.994 -96.161,-15.994 v1(-96.213,-16.045) ; v1(-11.303,40.64) -11.271,40.608 -11.271,38.297 P1.19@-11.239,38.265
  Bottom Layer w1: v1(-97.725,-16.149) -97.674,-16.098 -96.338,-16.098 -96.286,-16.045 v1(-96.213,-16.045) ; v1(-96.266,37.6) -92.464,33.798 -39.929,33.798 -39.818,33.909 -38.131,33.909 -37.925,33.703 -20.907,33.703 -13.97,40.64 v1(-11.303,40.64)
Netmotherboard2_29: motherboard2.29 P2.12 | length 82
  Top Layer w1: v1(-151.054,-68.308) v1(-151.054,-51.268) ; v1(-123.114,-51.015) -123.114,-46.87 -120.859,-44.615 -117.749,-44.615 -115.367,-46.997 v1(-115.367,-52.269) ; v1(-111.43,-52.38) -111.418,-52.392 motherboard2.29@-111.418,-61.45
  Bottom Layer w1: v1(-151.054,-68.308) -150.981,-68.308 -150.874,-68.415 P2.12@-146.367,-68.415 ; v1(-151.054,-51.268) -148.524,-51.268 -148.406,-51.15 -123.936,-51.15 -123.852,-51.067 -123.166,-51.067 v1(-123.114,-51.015) ; v1(-115.367,-52.269) -115.315,-52.321 -113.242,-52.321 -113.138,-52.425 -111.475,-52.425 v1(-111.43,-52.38)
Netmotherboard2_30: motherboard2.30 P2.14 | length 84.5
  Top Layer w1: v1(-149.53,-65.895) -149.53,-74.754 -149.4,-74.884 -149.4,-83.917 -146.665,-86.652 -146.52,-86.652 -143.787,-89.385 v1(-143.741,-89.385) ; motherboard2.30@-111.418,-63.99 -111.418,-78.824 v1(-109.891,-80.351)
  Bottom Layer w1: v1(-149.53,-65.895) -149.52,-65.885 -146.377,-65.885 P2.14@-146.367,-65.875 ; v1(-143.741,-89.385) -140.492,-86.136 -140.492,-84.813 -137.458,-81.78 -118.378,-81.78 -116.949,-80.351 v1(-109.891,-80.351)
Netmotherboard2_31: motherboard2.31 P2.16 | length 74.5
  Top Layer w1: v1(-149.606,-44.45) -149.568,-44.488 -149.568,-63.317 v1(-149.53,-63.355) ; v1(-113.97,-44.932) -113.964,-44.938 -113.964,-61.444 motherboard2.31@-113.958,-61.45
  Bottom Layer w1: v1(-149.606,-44.45) -117.775,-44.45 -117.293,-44.932 v1(-113.97,-44.932) ; v1@-149.53,-63.335 P2.16@-146.367,-63.335
Netmotherboard2_34: motherboard2.34 motherboard4.39 | length 237.5
  Top Layer w1: v1(-117.094,0.754) -115.431,2.417 -115.431,21.427 -113.546,23.312 v1(-113.546,39.243) ; motherboard2.34@-116.498,-63.99 -116.478,-64.009 -116.478,-66.536 v1(-116.459,-66.556) ; v1(-99.285,-66.556) -99.233,-66.504 -99.233,-65.866 -98.44,-65.072 -98.44,-36.644 -98.774,-36.31 -98.774,-30.5 -98.639,-30.365 -98.639,-24.555 -98.774,-24.42 -98.774,-22.489 -98.569,-22.284 -98.569,-21.619 v1(-98.518,-21.567) ; v1(-59.13,35.187) -57.505,33.562 -57.404,33.562 -57.404,8.507 v1(-57.404,8.382)
  Bottom Layer w1: v1(-117.094,0.754) -111.766,0.754 -103.096,-7.916 -103.096,-17.799 -101.164,-19.731 -99.645,-19.731 -98.563,-20.813 -98.563,-21.522 v1(-98.518,-21.567) ; v1(-116.459,-66.556) -116.407,-66.608 -114.578,-66.608 -114.494,-66.691 -112.617,-66.691 -112.56,-66.748 -100.116,-66.748 -99.975,-66.608 -99.337,-66.608 v1(-99.285,-66.556) ; v1(-113.546,39.243) -110.371,36.068 -99.762,36.068 -96.841,38.989 -95.691,38.989 -91.754,35.052 -74.683,35.052 -74.548,35.187 v1(-59.13,35.187) ; motherboard4.39@-69.128,8.382 v1(-57.404,8.382)
Netmotherboard2_35: motherboard2.35 P2.20 | length 42.3
  Top Layer w1: P2.20@-146.367,-58.255 -146.361,-58.249 -146.361,-52.566 v1(-146.355,-52.56) ; v1(-119.05,-52.269) -119.044,-52.275 -119.044,-61.444 motherboard2.35@-119.038,-61.45
  Bottom Layer w1: v1(-146.355,-52.56) -146.31,-52.515 -135.042,-52.515 -134.931,-52.404 -122.539,-52.404 -122.404,-52.269 v1(-119.05,-52.269)
Netmotherboard2_36: motherboard2.36 P2.18 | length 75
  Top Layer w1: v1(-148.133,-60.688) -148.133,-60.807 -148.139,-60.813 -148.139,-83.405 -146.145,-85.398 -145.809,-85.398 v1(-143.764,-87.444) ; v1(-119.126,-80.391) -119.082,-80.347 -119.082,-64.034 motherboard2.36@-119.038,-63.99
  Bottom Layer w1: v1@-147.752,-60.688 -147.741,-60.699 -146.463,-60.699 P2.18@-146.367,-60.795 ; v1(-143.764,-87.444) -141.746,-85.425 -141.746,-84.294 -137.668,-80.216 -126.974,-80.216 -126.799,-80.391 v1(-119.126,-80.391)
Netmotherboard3_7: motherboard3.7 P7.18 | length 35.3
  Top Layer w1: P7.18@-70.167,-93.815 -70.071,-93.719 -70.071,-91.848 -69.731,-91.507 -69.731,-88.342 -69.866,-88.207 -69.866,-85.041 -69.28,-84.455 -65.786,-84.455 -64.643,-83.312 -64.643,-76.962 -62.154,-74.473 motherboard3.7@-62.154,-63.99
Netmotherboard3_19: motherboard3.19 toggle_switch1.3 | length 317.3
  Top Layer w1: v1(-143.354,-18.274) -143.354,-26.402 -140.358,-29.398 -140.358,-29.531 v1(-140.306,-29.583) ; v1(-130.683,-11.184) -130.683,-0.141 -129.526,1.016 -124.679,1.016 -123.73,1.965 -123.73,15.078 -125.095,16.443 -125.095,31.488 v1(-125.103,31.496) ; v1(-116.205,31.496) -115.443,32.258 -115.443,45.012 -114.935,45.52 v1(-114.935,45.593) ; v1(-52.495,46.693) -52.568,46.693 -52.7,46.561 -52.731,46.561 -54.356,44.936 -54.356,38.045 -52.221,35.91 -52.221,-3.146 -47.355,-8.012 -47.355,-20.998 -47.514,-21.157 v1(-47.514,-34.798) ; v1(-36.83,-34.798) -36.83,-40.23 -35.235,-41.825 -35.235,-48.962 -35.56,-49.287 v1(-35.56,-60.96)
  Bottom Layer w1: v1(-143.354,-18.274) -133.301,-18.274 -130.683,-15.656 v1(-130.683,-11.184) ; v1(-140.306,-29.583) -140.306,-35.581 -136.153,-39.734 toggle_switch1.3@-135.153,-39.734 ; v1(-125.103,31.496) v1(-116.205,31.496) ; v1(-114.935,45.593) -111.717,48.811 -54.614,48.811 v1(-52.495,46.693) ; v1(-47.514,-34.798) v1(-36.83,-34.798) ; motherboard3.19@-46.902,-64.082 -45.311,-62.491 -45.311,-62.463 -42.745,-59.897 -40.013,-59.897 -38.95,-60.96 v1(-35.56,-60.96)
Netmotherboard3_23: motherboard3.23 toggle_switch1.6 | length 156.6
  Top Layer w1: toggle_switch1.6@-130.353,-39.734 -130.353,-43.162 -131.294,-44.103 -131.294,-47.937 -127.127,-52.104 v1(-127.127,-61.849) ; v1(-125.984,-88.749) -125.984,-69.334 -125.857,-69.207 v1(-125.857,-66.699) ; v1(-86.887,-89.495) -86.877,-89.504 -86.877,-92.264 v1(-86.868,-92.273) ; v1(-42.037,-91.527) -44.001,-89.563 -44.001,-78.219 motherboard3.23@-41.904,-76.122
  Bottom Layer w1: v1(-127.127,-61.849) -127.127,-61.922 -125.857,-63.192 v1(-125.857,-66.699) ; v1(-125.984,-88.749) -121.704,-88.749 -121.381,-88.426 -93.988,-88.426 -93.562,-88.852 -93.419,-88.852 -92.776,-89.495 v1(-86.887,-89.495) ; v1(-86.868,-92.273) -72.122,-92.273 -71.991,-92.404 -70.883,-92.404 -70.79,-92.311 -70.289,-92.311 -69.428,-91.45 -44.925,-91.45 -44.915,-91.44 -44.828,-91.527 v1(-42.037,-91.527)
Netmotherboard3_30: motherboard3.30 P8.1 | length 70.4
  Top Layer w3: motherboard3.30@-34.284,-73.582 -34.284,-68.193 v1@-31.623,-65.532 ; v1(19.685,-65.151) P8.1@19.685,-54.864
  Bottom Layer w3: v1@-31.242,-65.151 v1(19.685,-65.151)
  other v1: -31.369,-65.151
Netmotherboard3_32: motherboard3.32 toggle_switch.3 | length 361.8
  Top Layer w1: v1@-156.816,-21.014 -156.816,-39.326 -156.464,-39.678 v1(-156.464,-39.751) ; v1(-126.492,34.29) -126.492,16.066 -125.119,14.693 -125.119,8.832 -125.222,8.729 v1(-125.222,2.794) ; v1(-40.894,11.049) v1(-40.894,45.109) ; v1(-32.385,-29.845) v1(-32.385,5.596) ; v1(-31.895,-69.215) -31.895,-69.288 -31.744,-69.439 motherboard3.32@-31.744,-73.582 ; v1(-19.431,-43.917) v1(-19.431,-29.845) ; v1(-19.393,-67.54) -19.393,-58.043 -15.808,-54.458 v1(-15.808,-43.655)
  Bottom Layer w1: v1(-156.816,-20.941) -153.092,-20.941 -152.584,-21.449 -141.676,-21.449 -139.755,-19.528 -131.674,-19.528 -129.27,-17.124 -129.27,-5.69 -125.254,-1.674 -125.254,2.762 v1(-125.222,2.794) ; v1(-156.464,-39.751) -156.455,-39.742 -152.801,-39.742 toggle_switch.3@-152.793,-39.734 ; v1(-126.492,34.29) -126.476,34.274 -117.807,34.274 -117.221,34.86 -117.221,47.811 -114.967,50.065 -45.239,50.065 -42.452,47.278 -42.452,46.667 v1(-40.894,45.109) ; v1@-40.64,10.922 -35.314,5.596 v1(-32.385,5.596) ; v1(-32.385,-29.845) v1(-19.431,-29.845) ; v1(-31.895,-69.215) -30.085,-67.405 -19.601,-67.405 -19.466,-67.54 v1(-19.393,-67.54) ; v1(-19.431,-43.917) -16.143,-43.917 -15.881,-43.655 v1(-15.808,-43.655)
Netmotherboard3_33: motherboard3.33 toggle_switch.6 | length 243.4
  Top Layer w1: toggle_switch.6@-147.993,-39.734 -148.993,-39.734 -156.634,-47.375 -156.634,-84.739 -152.947,-88.426 -152.684,-88.426 -152.242,-88.868 -152.242,-88.893 -144.869,-96.266 -143.07,-96.266 -141.179,-94.375 -141.179,-92.501 -140.393,-91.715 -140.393,-87.918 -138.684,-86.209 -138.684,-78.426 -140.843,-76.267 v1(-140.843,-69.723) ; v1(-53.975,-69.215) -53.975,-85.522 -46.581,-92.916 -41.462,-92.916 -40.354,-91.808 -40.354,-88.868 -38.973,-87.487 -36.57,-87.487 -35.189,-86.106 -29.793,-86.106 -29.207,-85.52 -29.207,-76.125 motherboard3.33@-29.204,-76.122
  Bottom Layer w1: v1(-140.843,-69.723) -137.305,-69.723 -137.03,-69.998 -109.744,-69.998 -109.002,-69.256 -79.953,-69.256 -79.642,-68.945 -78.69,-68.945 -77.791,-68.046 -75.337,-68.046 -75.067,-68.316 -71.561,-68.316 -70.932,-68.945 -63.196,-68.945 -62.926,-69.215 v1(-53.975,-69.215)
Netmotherboard3_36: motherboard3.36 P2.2 | length 205.2
  Top Layer w1: v1(-155.245,-81.135) v1(-155.245,-48.76) ; v1(-125.908,-48.369) -125.908,-46.117 -121.834,-42.043 -112.875,-42.043 -111.049,-43.869 v1(-111.049,-49.512) ; v1(-107.62,-50.935) v1(-107.62,-49.639) ; v1(-26.721,-50.935) -26.692,-50.963 -26.692,-73.553 motherboard3.36@-26.664,-73.582
  Bottom Layer w1: v1(-155.245,-81.135) -155.172,-81.135 -155.056,-81.019 -146.463,-81.019 P2.2@-146.367,-81.115 ; v1(-155.245,-48.76) -155.193,-48.708 -154.507,-48.708 -154.423,-48.625 -127.385,-48.625 -127.18,-48.421 -125.96,-48.421 v1(-125.908,-48.369) ; v1(-111.049,-49.512) -107.82,-49.512 -107.693,-49.639 v1(-107.62,-49.639) ; v1(-107.62,-50.935) -107.547,-50.935 -107.221,-51.261 -85.414,-51.261 -84.907,-51.768 -69.06,-51.768 -68.901,-51.927 -65.678,-51.927 -65.502,-51.751 -60.319,-51.751 -60.144,-51.576 -56.189,-51.576 -56.159,-51.546 -49.84,-51.546 -49.239,-50.945 -26.731,-50.945 v1(-26.721,-50.935)
Netmotherboard3_37: motherboard3.37 P2.4 | length 166.1
  Top Layer w1: v1(-153.721,-78.595) -153.721,-78.668 -153.162,-79.227 -153.162,-85.476 -144.022,-94.616 -143.193,-94.616 -142.433,-93.855 -142.433,-91.77 -142.085,-91.422 -142.085,-87.837 -141.351,-87.103 v1(-141.351,-78.994) ; motherboard3.37@-24.124,-76.122 -24.089,-76.157 -24.089,-78.98 v1(-24.054,-79.015)
  Bottom Layer w1: v1(-153.721,-78.595) -153.594,-78.595 -153.574,-78.575 P2.4@-146.367,-78.575 ; v1(-141.351,-78.994) -141.278,-78.994 -139.992,-77.708 -101.102,-77.708 -99.93,-78.88 -71.946,-78.88 -71.695,-78.629 -57.119,-78.629 -56.733,-79.015 v1(-24.054,-79.015)
Netmotherboard3_38: motherboard3.38 P2.6 | length 197.7
  Top Layer w1: v1(-153.848,-76.055) v1(-153.848,-50.014) ; v1(-124.511,-49.761) -124.511,-46.494 -121.314,-43.297 -113.395,-43.297 -112.446,-44.246 v1(-112.446,-51.036) ; v1(-109.271,-52.38) v1(-109.271,-50.909) ; v1(-24.257,-52.705) -24.205,-52.757 -24.205,-73.501 motherboard3.38@-24.124,-73.582
  Bottom Layer w1: v1(-153.848,-50.014) -153.797,-49.963 -151.713,-49.963 -151.629,-49.879 -126.865,-49.879 -126.752,-49.766 -124.516,-49.766 v1(-124.511,-49.761) ; v1@-153.594,-76.055 -153.574,-76.035 P2.6@-146.367,-76.035 ; v1(-112.446,-51.036) -112.401,-50.991 -109.426,-50.991 -109.344,-50.909 v1(-109.271,-50.909) ; v1(-109.271,-52.38) -109.219,-52.432 -107.824,-52.432 -107.74,-52.515 -85.933,-52.515 -85.426,-53.022 -69.58,-53.022 -69.421,-53.181 -65.159,-53.181 -64.983,-53.005 -59.8,-53.005 -59.624,-52.83 -51.27,-52.83 -51.24,-52.8 -49.321,-52.8 -49.226,-52.705 v1(-24.257,-52.705)
Netmotherboard3_39: motherboard3.39 P2.8 | length 165.1
  Top Layer w1: v1(-152.324,-73.515) -152.324,-78.292 -151.908,-78.708 -151.908,-84.956 -144.339,-92.526 -144.221,-92.526 -143.895,-92.851 v1(-143.822,-92.851) ; v1(-23.301,-87.037) -23.301,-87.003 -21.584,-85.286 motherboard3.39@-21.584,-76.122
  Bottom Layer w1: v1(-152.324,-73.515) -152.304,-73.495 P2.8@-146.367,-73.495 ; v1(-143.822,-92.851) -143.749,-92.851 -143.423,-92.526 -143.144,-92.526 -139.139,-88.521 -139.139,-88.438 -137.873,-87.172 -93.325,-87.172 -92.264,-88.233 -89.327,-88.233 -89.2,-88.106 -86.262,-88.106 -86.135,-88.233 -65.114,-88.233 -64.463,-88.884 -42.143,-88.884 -40.431,-87.172 -38.674,-87.172 -26.089,-87.172 -25.954,-87.037 v1(-23.301,-87.037)
Netmotherboard3_40: motherboard3.40 P2.10 | length 169.7
  Top Layer w1: v1(-150.927,-70.975) -150.927,-77.915 -150.654,-78.188 -150.654,-84.437 -144.317,-90.774 -144.199,-90.774 -143.836,-91.137 v1(-143.763,-91.137) ; v1(-50.038,-87.495) -49.986,-87.547 -49.673,-87.547 -49.597,-87.622 -48.447,-87.622 -47.633,-86.808 -47.633,-80.652 -47.76,-80.525 -47.76,-74.547 -47.752,-74.539 v1(-47.752,-74.422) ; v1(-22.606,-71.501) -22.554,-71.553 -22.554,-72.476 -21.584,-73.447 motherboard3.40@-21.584,-73.582
  Bottom Layer w1: v1@-150.927,-70.955 P2.10@-146.367,-70.955 ; v1(-143.763,-91.137) -143.69,-91.137 -143.328,-90.774 -143.166,-90.774 -141.011,-88.619 -141.011,-88.537 -138.393,-85.918 -92.806,-85.918 -91.745,-86.979 -89.846,-86.979 -89.719,-86.852 -85.742,-86.852 -85.615,-86.979 -64.595,-86.979 -63.944,-87.63 -52.673,-87.63 -52.545,-87.502 -50.045,-87.502 v1(-50.038,-87.495) ; v1(-47.752,-74.422) -44.688,-71.358 -43.58,-71.358 -43.046,-70.824 -31.54,-70.824 -31.074,-70.358 -23.822,-70.358 -22.679,-71.501 v1(-22.606,-71.501)
Netmotherboard4_1: motherboard4.1 P7.6 | length 288.5
  Top Layer w1: P7.6@-85.407,-93.815 -85.375,-93.783 -85.375,-86.844 -84.912,-86.38 v1(-84.912,-84.209) ; motherboard4.1@-81.029,-39.77 -81.029,-44.574 -80.599,-45.004 v1(-80.599,-47.679) ; v1(-29.845,-45.466) -29.845,-53.852 -29.607,-54.09 -29.607,-62.323 -29.432,-62.498 v1(-29.432,-62.571) ; v1(-12.573,-83.058) -12.573,-86.058 -12.399,-86.231 v1(-12.399,-88.693) ; v1(9.144,-88.454) 9.144,-85.688 v1(9.156,-85.676) ; v1(26.67,-86.36) v1(26.67,-62.484)
  Bottom Layer w1: v1(-84.912,-84.209) -71.403,-84.209 -71.176,-84.436 -53.649,-84.436 -53.439,-84.226 -37.224,-84.226 -37.138,-84.312 -16.562,-84.312 -15.308,-83.058 v1(-12.573,-83.058) ; v1(-80.599,-47.679) -80.547,-47.731 -78.615,-47.731 -78.34,-48.006 -77.511,-48.006 -76.505,-47 -76.505,-46.989 -75.999,-46.482 -67.844,-46.482 -67.766,-46.56 -59.611,-46.56 -59.581,-46.53 -53.593,-46.53 -52.794,-45.731 -52.444,-45.731 -52.179,-45.466 v1(-29.845,-45.466) ; v1(-29.432,-62.571) -29.359,-62.571 -29.033,-62.897 -1.836,-62.897 -1.423,-62.484 v1(26.67,-62.484) ; v1(-12.399,-88.693) -5.973,-88.693 -5.734,-88.454 v1(9.144,-88.454) ; v1(9.156,-85.676) 24.247,-85.676 24.317,-85.606 25.843,-85.606 26.597,-86.36 v1(26.67,-86.36)